# KiCad board zx-multisound.kicad_pcb (continued)
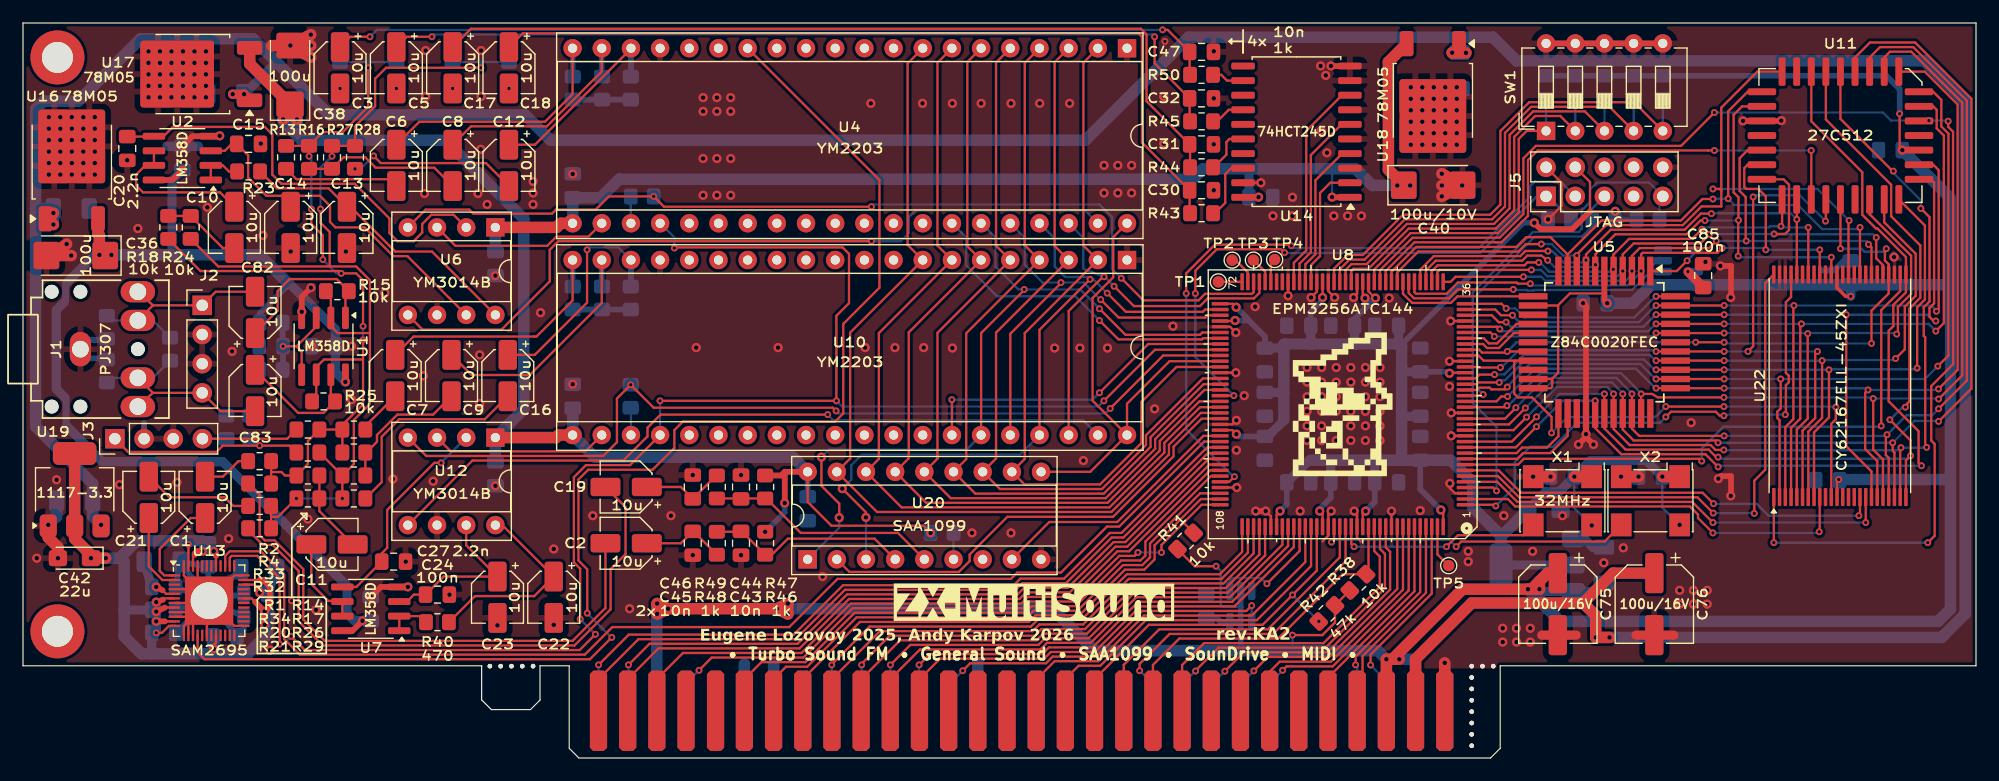
[diagram p0: board, top side]
## Routing (per net, layer and track width the routed paths; a pad name or vN(x,y) marks a point on that pad's centre or on a via; arc(x,y) is an arc through that point) (continued)
/A13: length 62.1
  Top w0.2: 52.49,4.11 52.49,6.73 55.32,9.55 67.6,9.55 71.9,13.85 86.74,13.85 87.32,14.43 91.12,14.43 95.1,18.4 96.12,18.4 103.27,25.55 U8.101
/A14: length 66
  Top w0.2: v2(50.1,8.11) 52.74,10.75 67.08,10.75 71.38,15.05 86.24,15.05 86.82,15.62 90.62,15.62 94.6,19.6 95.62,19.6 102.87,26.85 102.9,26.85 103.1,27.05 U8.98
  Bottom w0.2: v2(50.1,8.11) 50.1,4.25 49.96,4.11
/A15: length 65.1
  Top w0.2: U8.99 103.19,26.55 103.08,26.45 103.03,26.45 95.79,19.2 94.77,19.2 90.79,15.22 86.98,15.22 86.41,14.65 71.55,14.65 67.25,10.35 53.57,10.35 49.96,6.73 49.96,4.11
/AA0: length 62.7
  Top w0.2: U8.74 102.9,39.05 102.7,38.85 96,38.85 v2(94.37,40.48) ; U10.37 88.48,37.28 v2(92.88,41.68) ; v1(71.31,23.46) 73.38,21.4 v1(73.38,20.95)
  Bottom w0.2: U4.37 89.8,45.24 89.8,42.8 90.72,41.88 92.68,41.88 v2(92.88,41.68) 93.17,41.68 v2(94.37,40.48) ; v1(73.38,20.95) 73.38,20.94 U20.3 ; v1(71.31,23.46) 72.1,24.24 72.1,25.5 73,26.4 86.76,26.4 U10.37
/AD0: length 42.1
  Top w0.2: U4.40 94.9,45.36 94.9,41.85 93.1,40.05 93.1,31.12 U10.40 ; U8.83 99.8,34.55 96.1,30.85 U10.40 ; U10.40 92.9,24.92 U20.10
/AD1: length 65.9
  Top w0.2: U4.2 92.3,60.54 92.3,44.62 U10.2 87.2,37 87.2,26.04 U20.11 87.18,23.82 93.75,23.82 97.35,27.42 97.35,31 100.4,34.05 U8.84
/AD2: length 66.8
  Top w0.2: U4.3 89.8,60.58 89.8,44.58 U10.3 84.7,37.04 84.7,26.08 U20.12 85.04,23.42 93.91,23.42 97.75,27.26 97.75,28.1 102.7,33.05 U8.86
/AD3: length 69.5
  Top w0.2: U4.4 87.2,60.52 87.2,44.64 U10.4 82.1,36.98 82.1,26.02 U20.13 82.9,23.02 94.08,23.02 98.15,27.09 98.15,27.93 102.77,32.55 U8.87
/AD4: length 72.1
  Top w0.2: U4.5 84.7,60.56 84.7,44.6 U10.5 79.6,37.02 79.6,26.06 U20.14 80.76,22.62 94.24,22.62 98.55,26.93 98.55,26.95 98.55,26.96 98.55,27.77 102.83,32.05 U8.88
/AD5: length 74.5
  Top w0.2: U8.90 102.4,31.05 98.95,27.6 98.95,26.79 98.95,26.79 98.95,26.76 94.41,22.22 78.62,22.22 U20.15 77.1,26.1 77.1,37.06 U10.6 82.2,44.56 82.2,60.6 U4.6
/AD6: length 77.2
  Top w0.2: U4.7 79.6,60.54 79.6,44.62 U10.7 74.5,37 74.5,26.04 U20.16 76.48,21.82 94.57,21.82 99.35,26.6 99.35,26.6 99.35,27.44 102.46,30.55 U8.91
/AD7: length 80
  Top w0.2: U4.8 77,60.48 77,44.68 U10.8 72,37.04 72,26.08 U20.17 74.34,21.42 94.74,21.42 99.75,26.43 99.75,26.43 99.75,27.27 102.53,30.05 U8.92
/AY_A1: length 23.6
  Top w0.2: U4.20 47.84,57.81 45.43,55.4 34.5,55.4 C6.1
  Bottom w0.2: 47.84,59.34 R10.2
  Bottom w0.5: U4.20 47.84,59.34
/AY_A2: length 23.2
  Top w0.2: C7.1 34,36.7 44.5,36.7 44.7,36.7 47.84,39.84 U10.20
  Bottom w0.2: 47.84,41.06 R37.2
  Bottom w0.5: U10.20 47.84,41.06
/AY_B1: length 20.1
  Top w0.2: C8.1 39,55 45.6,55 50.38,59.78 U4.19
  Bottom w0.2: 50.38,59.35 R9.2
  Bottom w0.5: U4.19 50.38,59.35
/AY_B2: length 22.5
  Top w0.2: U10.19 50.38,39.61 44.12,33.35 39.05,33.35 C9.1
  Bottom w0.2: 50.38,41.07 R36.2
  Bottom w0.5: U10.19 50.38,41.07
/AY_C1: length 16.6
  Top w0.2: C12.1 44.57,53.4 52.92,61.75 U4.18
  Bottom w0.2: 52.92,59.35 R8.2
  Bottom w0.5: U4.18 52.92,59.35
/AY_C2: length 20.1
  Top w0.2: C16.1 44.55,35.1 49.1,39.65 v2(49.1,44.25)
  Bottom w0.2: 52.92,41.07 R35.2 ; U10.18 51.82,44.46 49.31,44.46 v2(49.1,44.25)
  Bottom w0.5: U10.18 52.92,41.07
/CFG0: length 27.6
  Top w0.2: SW1.1 130.89,54.6 130.2,53.91 130.2,47.53 128.37,45.7 120.78,45.7 117.62,42.54 U8.49
  Bottom w0.2: 132.58,57.39 SW1.1
/CFG1: length 33.1
  Top w0.2: U8.53 115.62,42.42 115.8,42.6 117.12,42.6 120.62,46.1 128.21,46.1 129.8,47.7 129.8,54.08 131.62,55.9 133.81,55.9 SW1.2
  Bottom w0.2: 135.12,57.39 SW1.2
/CFG2: length 36.5
  Top w0.2: U8.54 115.12,42.49 115.63,43 116.95,43 120.45,46.5 128.04,46.5 129.4,47.86 129.4,54.25 131.45,56.3 135.95,56.3 SW1.3
  Bottom w0.2: 137.66,57.39 SW1.3
/CFG3: length 39.9
  Top w0.2: U8.55 114.62,42.55 115.47,43.4 116.79,43.4 120.29,46.9 127.87,46.9 129,48.03 129,54.42 131.28,56.7 138.09,56.7 SW1.4
  Bottom w0.2: 140.19,57.39 SW1.4
/CFG4: length 43.3
  Top w0.2: SW1.5 140.23,57.1 131.11,57.1 128.6,54.59 128.6,48.19 127.71,47.3 120.12,47.3 116.62,43.8 115.3,43.8 114.12,42.62 U8.56
  Bottom w0.2: 142.74,57.39 SW1.5
/CLK32: length 18.2
  Top w0.2: v2(123.9,18.4) 124.9,19.4 130.56,19.4 X1.3 ; U8.128 115.62,18.64 v2(115.86,18.4)
  Bottom w0.2: v2(115.86,18.4) v2(123.9,18.4)
/CLKx: length 27.8
  Top w0.2: v2(124.75,18.4) 125.2,18.85 137.67,18.85 X2.3 ; U8.125 114.12,19.02 v2(113.9,18.8)
  Bottom w0.2: v2(113.9,18.8) 114.1,19 124.15,19 v2(124.75,18.4)
/D0: length 52.3
  Top w0.2: U8.103 103.4,24.55 97.7,18.85 97.7,17.63 97.27,17.2 95.59,17.2 91.62,13.23 87.81,13.23 87.24,12.65 72.39,12.65 68.09,8.35 64.27,8.35 62.65,6.73 62.65,4.11
/D1: length 49.1
  Top w0.2: 65.19,4.11 65.19,6.73 66.42,7.95 68.26,7.95 72.56,12.25 87.4,12.25 87.98,12.83 91.78,12.83 95.75,16.8 97.43,16.8 98.1,17.47 98.1,18.69 102.46,23.05 U8.106
/D2: length 46.4
  Top w0.2: U8.107 102.53,22.55 98.5,18.52 98.5,17.3 97.6,16.4 95.92,16.4 91.95,12.43 88.14,12.43 87.56,11.85 72.85,11.85 67.73,6.73 67.73,4.11
/D3: length 43.4
  Top w0.2: 75.36,4.11 75.36,6.73 78.07,9.45 88.55,9.45 89.14,10.03 92.94,10.03 96.91,14 105.05,14 109.62,18.57 U8.116
/D4: length 41.9
  Top w0.2: 77.9,4.11 77.9,6.72 79.83,8.65 88.89,8.65 89.47,9.23 93.27,9.23 97.24,13.2 105.45,13.2 110.62,18.37 U8.118
/D5: length 44.4
  Top w0.2: U8.112 107.62,17.72 104.7,14.8 96.58,14.8 92.61,10.83 88.8,10.83 88.22,10.25 76.35,10.25 72.81,6.72 72.81,4.11
/D6: length 45.8
  Top w0.2: U8.110 106.62,17.88 104.34,15.6 96.25,15.6 92.28,11.63 88.47,11.63 87.9,11.05 74.6,11.05 70.28,6.72 70.28,4.11
/D7: length 59.4
  Top w0.2: 55.04,4.11 55.04,6.73 57.45,9.15 67.76,9.15 72.06,13.45 86.9,13.45 87.48,14.03 91.29,14.03 95.26,18 96.28,18 103.33,25.05 U8.102
/DAC0: length 18.7
  Top w0.2: U8.63 110.62,43.12 111.7,44.2 111.7,54.6 114.81,57.71 U14.8
/DAC1: length 15.9
  Top w0.2: U8.62 111.12,43.05 112.1,44.03 112.1,52.5 114.77,55.17 U14.6
/DAC2: length 13.2
  Top w0.2: U14.4 114.83,52.63 112.5,50.3 112.5,43.87 111.62,42.99 U8.61
/DAC3: length 11
  Top w0.2: U14.2 113.79,50.09 112.9,49.2 112.9,43.7 112.12,42.92 U8.60
/DACCH0: length 77.4
  Top w0.2: R50.1 101.55,59.52 C47.1 99.64,63.4 v2(99.2,63.4) ; C3.1 28.5,62.8 v2(30.2,62.8)
  Bottom w0.2: v2(30.2,62.8) 30.8,63.4 97.6,63.4 v2(99.2,63.4)
/DACCH1: length 75.2
  Top w0.2: R45.1 101.55,55.47 C32.1 98.5,60.48 v2(98.5,62.8) ; C5.1 33.4,62.8 v2(35.6,62.8)
  Bottom w0.2: v2(35.6,62.8) 35.8,63 98.3,63 v2(98.5,62.8)
/DACCH2: length 74.4
  Top w0.2: R44.1 101.59,53.4 C31.1 97.8,57.19 97.8,63 97.3,63.5 39,63.5 C17.1
/DACCH3: length 72.8
  Top w0.2: R43.1 101.55,47.47 C30.1 97.4,53.58 97.4,62.8 97.1,63.1 43.5,63.1 C18.1
/FM1: length 13.4
  Top w0.2: U2.6 U2.7 10.65,51.6 9.85,50.8 9.85,49.85 10.45,49.25 17.15,49.25 C10.1
/FM1_ENA: length 82.8
  Top w0.2: v2(73.85,48) 55.8,48 v2(54.9,48.9) 51,48.9 49.85,47.75 46.4,47.75 46.05,47.4 39.2,47.4 38.85,47.75 35.05,47.75 U6.4 ; v2(95.6,41.78) 97.53,39.85 102.33,39.85 102.9,40.42 106.98,40.42 107.12,40.56 U8.70
  Bottom w0.2: v2(95.6,41.78) 94.8,42.58 94.8,47.1 93.7,48.2 74.05,48.2 v2(73.85,48)
/FM2: length 8
  Top w0.2: C11.1 25.1,15.15 26.58,13.68 27.75,13.68 U7.6 U7.7
/FM2_ENA: length 79.3
  Top w0.2: U8.82 99.25,35.05 v2(94.63,30.43) ; v2(70.78,30.22) 70.5,30.5 54.9,30.5 v2(52.9,32.5) 51.7,31.3 51.7,27.5 50.5,26.3 35.1,26.3 U12.4
  Bottom w0.2: v2(94.63,30.43) 94.2,30 71,30 v2(70.78,30.22)
/GA0: length 84.8
  Top w0.2: v2(131.74,28.85) 129.94,27.05 U8.11 ; v2(147.55,25.35) 146.45,26.45 139.12,26.45 136.85,28.72 U5.27 v2(136.85,31.1) ; U11.11 155.66,55.44 160.1,51 160.1,47.3 161.3,46.1 161.42,46.1 163.9,43.62 U22.25 163.9,40.55 162.8,39.45 162.8,37.6 162.4,37.2 162.4,31.06 165,28.46 165,25.7 v2(165.25,25.45)
  Bottom w0.2: v2(165.25,25.45) 147.65,25.45 v2(147.55,25.35) ; v2(136.85,31.1) 133.99,31.1 v2(131.74,28.85)
/GA1: length 87.3
  Top w0.2: v2(137.65,31.7) 137.65,31.7 U5.28 137.65,28.7 139.5,26.85 146.73,26.85 147.39,26.2 v2(147.55,26.2) ; v2(163.85,30.55) 164,30.7 164,30.85 164.2,31.05 164.2,39.13 165.15,40.08 165.15,44.63 162.61,47.17 162.61,49.92 156.93,55.6 U11.10 ; v2(131.75,29.7) 129.59,27.55 U8.12 ; v2(162.5,29.45) 164.3,27.65 v2(164.3,26.32) 163.9,25.92 U22.24
  Bottom w0.2: v2(137.65,31.7) 133.74,31.7 v2(131.75,29.7) ; v2(147.55,26.2) 147.7,26.05 164.03,26.05 v2(164.3,26.32) ; v2(162.5,29.45) 163.6,30.55 v2(163.85,30.55)
/GA2: length 86.5
  Top w0.2: U8.14 129.75,28.55 v2(130.88,29.68) ; v2(148.05,26.82) 147.33,26.82 146.9,27.25 139.85,27.25 138.45,28.65 U5.29 v2(138.45,31.7) ; v2(165.2,47.85) 165.95,47.1 165.95,39.75 165.45,39.25 165.45,36.75 165.58,36.62 165.58,27.17 v2(165.7,27.05) ; U22.23 163.4,26.96 v2(163.46,27.02) ; v2(162.8,51.1) 162.75,51.1 158.2,55.65 U11.9
  Bottom w0.2: v2(165.7,27.05) 165.67,27.02 v2(163.46,27.02) 163.24,26.8 148.07,26.8 v2(148.05,26.82) ; v2(165.2,47.85) 165.2,48.55 162.8,50.95 v2(162.8,51.1) ; v2(138.45,31.7) 138.45,31.75 137.9,32.3 133.5,32.3 v2(130.88,29.68)
/GA3: length 95.5
  Top w0.2: U8.15 129.35,29.05 v2(130.77,30.48) ; v2(162.75,27.45) 162.75,26.75 162.9,26.6 U22.22 ; U11.8 159.47,61 160.77,62.3 164.7,62.3 169.6,57.4 169.6,32.17 v2(166.74,29.31) ; v2(147.55,27.45) 147.35,27.65 140.2,27.65 139.25,28.6 U5.30 v2(139.25,31.7)
  Bottom w0.2: v2(166.74,29.31) 166.7,29.35 164.65,29.35 v2(162.75,27.45) 147.55,27.45 v2(147.55,27.45) ; v2(139.25,31.7) 139.25,31.75 138.3,32.7 133,32.7 v2(130.77,30.48)
/GA4: length 93
  Top w0.2: v2(140.05,31.7) U5.31 140.05,28.68 140.68,28.05 v2(148.08,28.05) ; U11.7 160.74,61 161.64,61.9 164.53,61.9 169.2,57.23 169.2,32.87 v2(166.74,30.41) ; U22.21 162.4,26.13 162.15,26.38 162.15,28.05 v2(162.25,28.15) ; v2(129.95,30.5) 129,29.55 U8.16
  Bottom w0.2: v2(129.95,30.5) 132.55,33.1 138.7,33.1 140.05,31.75 v2(140.05,31.7) ; v2(148.08,28.05) 162.15,28.05 v2(162.25,28.15) 163.95,29.85 166.18,29.85 v2(166.74,30.41)
/GA5: length 90.7
  Top w0.2: U8.18 129.04,30.55 v2(129.17,30.68) ; U22.20 161.9,26 161.05,26.85 v2(161.05,31.3) ; U5.32 v2(140.85,31.7) 141.8,31.7 142.3,31.4 v2(148.05,31.4) ; U11.6 162.01,61 162.51,61.5 164.37,61.5 168.8,57.07 168.8,33.32 v2(166.74,31.26)
  Bottom w0.2: v2(140.85,31.7) 140.65,31.9 140.65,31.95 139.1,33.5 132.09,33.5 129.27,30.68 v2(129.17,30.68) ; v2(166.74,31.26) 166.7,31.3 v2(161.05,31.3) 160.95,31.4 v2(148.05,31.4)
/GA6: length 84.8
  Top w0.2: v2(166.73,32.13) 168.4,33.8 168.4,56.9 165.54,59.76 U11.5 ; U8.19 128.25,31.05 128.68,31.48 v2(129.22,31.48) ; v2(142.15,32.2) 142.15,32.2 U5.34 v2(148.08,32.2) ; v2(160.6,32.05) 160.35,31.8 160.35,26.9 161.4,25.85 U22.19
  Bottom w0.2: v2(129.22,31.48) 131.64,33.9 140.4,33.9 142.1,32.2 v2(142.15,32.2) ; v2(148.08,32.2) 160.45,32.2 v2(160.6,32.05) 166.65,32.05 v2(166.73,32.13)
/GA7: length 79.8
  Top w0.2: v2(129.2,32.3) 128.99,32.1 127.8,32.1 127.65,32.25 126.78,32.25 126.58,32.05 U8.21 ; U11.4 166.27,58.01 166.97,57.31 166.97,54.99 167.6,54.37 167.6,35.05 v2(166.68,34.12) ; v2(153,33) 153,30.45 152.7,30.15 152.7,29.61 152.9,29.41 U22.2 ; v2(148.08,33) U5.35 142.15,33 v2(142.15,33)
  Bottom w0.2: v2(142.15,33) 142.1,33 140.8,34.3 131.15,34.3 129.2,32.35 v2(129.2,32.3) ; v2(148.08,33) 165.56,33 166.68,34.11 v2(166.68,34.12)
/GA8: length 68.2
  Top w0.2: U8.22 126.52,32.55 126.67,32.7 v2(128.5,32.7) ; U11.29 165.55,46.37 165.55,39.92 164.88,39.24 v2(164.88,33.95) ; v2(148.08,33.8) 148.07,33.8 U5.36 v2(142.15,33.8) ; v2(157.2,33.8) 157.2,29.65 155.9,28.35 U22.8
  Bottom w0.2: v2(148.08,33.8) v2(157.2,33.8) 157.25,33.85 164.77,33.85 v2(164.88,33.95) ; v2(128.5,32.7) 128.7,32.9 129.01,32.9 130.81,34.7 141.1,34.7 142,33.8 v2(142.15,33.8)
/GA9: length 66.7
  Top w0.2: U11.28 162.01,46.64 164.75,43.9 164.75,40.25 163.8,39.3 163.8,35.58 v2(163,34.78) ; U22.7 155.4,28.42 156.6,29.62 v2(156.6,34.6) ; v2(148.08,34.6) U5.37 v2(142.15,34.6) ; U8.23 126.45,33.05 126.79,33.39 v2(128.09,33.39)
  Bottom w0.2: v2(148.08,34.6) v2(156.6,34.6) 156.65,34.65 162.87,34.65 v2(163,34.78) ; v2(142.15,34.6) 142.1,34.6 141.6,35.1 130.65,35.1 128.95,33.4 128.1,33.4 v2(128.09,33.39)
/GA10: length 67.4
  Top w0.2: U22.6 154.9,28.5 156,29.6 156,35.2 v2(156.2,35.4) ; v2(150.15,35.4) 150.6,35.85 v2(150.6,48.85) ; U11.24 156.93,46.78 v2(156.9,46.75) ; U8.25 126.65,34.05 126.7,34 v2(128.6,34) ; v2(142.15,35.4) U5.38 v2(148.08,35.4)
  Bottom w0.2: v2(142.15,35.4) 142.05,35.5 130.2,35.5 128.7,34 v2(128.6,34) ; v2(156.9,46.75) 154.65,49 150.75,49 v2(150.6,48.85) ; v2(148.08,35.4) v2(156.2,35.4)
/GA11: length 66.3
  Top w0.2: U8.31 127.73,37.05 v2(128.07,36.71) ; U11.27 160.74,47.34 164.35,43.73 164.35,40.41 163.2,39.26 163.2,37.01 v2(163.1,36.91) ; U22.5 154.4,28.6 155.35,29.55 v2(155.35,36.95) ; v2(148.08,37) 148.07,37 U5.40 v2(142.15,37)
  Bottom w0.2: v2(163.1,36.91) 163.01,37 155.4,37 v2(155.35,36.95) 155.3,37 v2(148.08,37) ; v2(142.15,37) 141.86,36.71 v2(128.07,36.71)
/GA12: length 78.6
  Top w0.2: v2(148.08,37.8) U5.41 v2(142.15,37.8) ; U11.3 166.27,56.74 166.58,56.44 166.58,54.83 167.2,54.2 167.2,51.3 167.2,37.87 v2(166.5,37.17) ; U8.32 128.35,37.55 v2(128.55,37.35) ; U22.4 153.9,28.75 154.7,29.55 154.7,37.7 v2(154.8,37.8)
  Bottom w0.2: v2(142.15,37.8) 142.1,37.8 141.45,37.15 128.75,37.15 v2(128.55,37.35) ; v2(166.5,37.17) 165.87,37.8 v2(148.08,37.8)
/GA13: length 72.8
  Top w0.2: v2(148.08,38.6) U5.42 v2(142.15,38.6) ; v2(129.1,37.95) 128.45,37.95 127.85,38.55 U8.34 ; U22.18 160.9,24.95 158.7,27.15 v2(158.7,38.6) ; v2(166.5,38.05) 166.31,38.05 165.95,38.41 165.95,39.18 166.35,39.59 166.35,50.1 166.06,50.39 U11.30
  Bottom w0.2: v2(166.5,38.05) 166.31,38.05 165.76,38.6 v2(148.08,38.6) ; v2(142.15,38.6) 142.1,38.6 141.05,37.55 129.5,37.55 v2(129.1,37.95)
/GA14: length 73.6
  Top w0.2: v2(129.65,38.55) 128.65,38.55 128.15,39.05 U8.35 ; v2(154.15,39.4) 154.1,39.35 154.1,29.52 153.4,28.82 U22.3 ; v2(148.07,39.4) U5.43 v2(142.15,39.4) ; v2(166.55,38.9) 166.75,39.1 166.75,51.18 166.27,51.66 U11.31
  Bottom w0.2: v2(148.07,39.4) 166.11,39.4 166.55,38.96 v2(166.55,38.9) ; v2(142.15,39.4) 142.1,39.4 140.65,37.95 130.25,37.95 v2(129.65,38.55)
/GA15: length 19.6
  Top w0.2: v2(129.1,39.15) 128.7,39.55 U8.36 ; U5.44 v2(142.15,40.2)
  Bottom w0.2: v2(142.15,40.2) 142.1,40.2 140.25,38.35 130.7,38.35 129.9,39.15 v2(129.1,39.15)
/GCLK: length 24.9
  Top w0.2: U8.43 120.62,40.49 121.08,40.03 124.13,40.03 124.9,40.8 v2(129.72,40.8)
  Bottom w0.2: v2(129.72,40.8) 129.77,40.75 130.9,40.75 130.95,40.7 131.45,40.7 131.5,40.75 140.05,40.75 141.65,42.35 141.65,42.69 142.26,43.3 U23.2
/GCLK_BUF: length 4.8
  Top w0.2: v2(144.85,43.3) 143.95,42.4 U5.1
  Bottom w0.2: U23.4 145.45,43.9 v2(144.85,43.3)
/GD0: length 66
  Top w0.2: U22.35 158.9,46.75 v2(158.95,46.8) ; 147.83,49.4 147.83,56.63 150.96,59.76 U11.13 ; 147.83,49.4 147.68,49.55 v2(147.1,49.55) ; 147.83,49.4 147.83,48.03 146.11,48.03 144.48,46.4 137.8,46.4 135.25,43.85 v2(135.25,43.75) ; U8.45 119.62,42.28 121.44,44.1 130.16,44.1 130.81,44.75 v2(132.16,44.75)
  Bottom w0.2: v2(158.95,46.8) 156.2,49.55 v2(147.1,49.55) ; v2(132.16,44.75) 133.07,44.75 134.07,43.75 v2(135.25,43.75)
/GD1: length 63.5
  Top w0.2: U22.33 v2(159.9,46.2) ; v2(148.43,48.7) 148.43,56.31 150.13,58.01 U11.14 ; 134.45,43.85 U5.10 ; 134.45,43.85 132.95,45.35 130.85,45.35 130,44.5 121.28,44.5 119.12,42.34 U8.46 ; 134.45,43.85 137.4,46.8 144.31,46.8 146.19,48.67 v2(147.1,48.67)
  Bottom w0.2: v2(147.1,48.67) 147.13,48.7 v2(148.43,48.7) 148.98,48.15 154.51,48.15 156.61,46.05 159.75,46.05 v2(159.9,46.2)
/GD2: length 56.2
  Top w0.2: v2(146.4,46.8) 146.01,46.8 144.81,45.6 138.6,45.6 136.88,43.88 v2(136.88,42.95) ; v2(132.72,43.34) 132.15,43.75 130.94,43.75 130.49,43.3 122.97,43.3 122.12,42.45 U8.40 ; U11.15 149.64,56.74 148.9,56 148.9,49.25 149.32,48.83 v2(149.32,46.82) 149.3,46.8 v2(149.3,43.7) ; U22.38 v2(157.4,43.6)
  Bottom w0.2: v2(149.3,43.7) 149.4,43.6 v2(157.4,43.6) ; v2(132.72,43.34) 133.3,42.75 136.68,42.75 v2(136.88,42.95) ; v2(146.4,46.8) 149.3,46.8 v2(149.32,46.82)
/GD3: length 52.3
  Top w0.2: U22.31 160.9,44.46 v2(160.64,44.72) ; U8.37 124.26,41.46 124.7,41.9 v2(130.6,41.9) ; v2(147.39,45.01) 146.77,44.4 140.73,44.4 140.05,43.72 v2(140.05,42.4) ; v2(150,45.02) 149.95,45.07 149.95,48.85 149.43,49.38 149.43,52.23 150.13,52.93 U11.18
  Bottom w0.2: v2(130.6,41.9) 132.15,41.9 132.5,41.55 139.5,41.55 140.05,42.1 v2(140.05,42.4) ; v2(160.64,44.72) 160.64,44.87 160.49,45.02 v2(150,45.02) 147.39,45.02 v2(147.39,45.01)
/GD4: length 51.4
  Top w0.2: v2(140.85,42.4) 140.85,43.85 140.99,43.99 147.49,43.99 v2(147.9,44.4) ; U8.42 121.12,40.55 121.25,40.43 123.93,40.43 124.9,41.4 130.02,41.4 130.12,41.3 v2(131.2,41.3) ; v2(156.4,44.25) U22.40 ; U11.19 150.13,51.66 149.83,51.36 149.83,49.72 150,49.55 151.05,49.55 151.7,48.9 v2(151.7,44.25)
  Bottom w0.2: v2(147.9,44.4) 147.92,44.42 151.53,44.42 v2(151.7,44.25) v2(156.4,44.25) ; v2(131.2,41.3) 131.35,41.15 139.67,41.15 140.85,42.33 v2(140.85,42.4)
/GD5: length 53.3
  Top w0.2: v2(161.31,45.31) 161.31,43.51 161.9,42.92 U22.29 ; v2(139.25,42.4) 139.25,43.85 140.2,44.8 146,44.8 v2(146.8,45.6) ; v2(131.3,42.5) 123.3,42.5 123.12,42.32 U8.38 ; U11.20 153.25,50.39 153.72,49.92 153.72,45.97 153.38,45.63 v2(152.42,45.63)
  Bottom w0.2: v2(139.25,42.4) 138.8,41.95 132.66,41.95 132.12,42.5 v2(131.3,42.5) ; v2(161.31,45.31) 161.03,45.6 152.45,45.6 v2(152.42,45.63) 152.41,45.62 146.82,45.62 v2(146.8,45.6)
/GD6: length 43.3
  Top w0.2: U11.21 153.12,46.4 v2(153.02,46.3) ; v2(131.94,43.15) 130.95,43.15 130.7,42.9 123.13,42.9 122.62,42.39 U8.39 ; v2(138.42,42.55) 138.42,43.82 139.8,45.2 145.29,45.2 v2(146.14,46.04) ; U22.42 v2(155.4,46.2)
  Bottom w0.2: v2(131.94,43.15) 132.03,43.15 132.83,42.35 138.22,42.35 v2(138.42,42.55) ; v2(155.4,46.2) 153.12,46.2 v2(153.02,46.3) 152.09,46.3 151.99,46.2 146.29,46.2 v2(146.14,46.04)
/GD7: length 43.7
  Top w0.2: v2(146.97,47.4) 146.04,47.4 144.64,46 138.2,46 136.05,43.85 v2(136.05,43.35) ; U8.41 121.62,42.52 122.8,43.7 130.33,43.7 130.78,44.15 132.44,44.15 132.46,44.14 v2(132.74,44.14) ; U22.44 v2(154.4,46.9) 154.4,48.63 U11.22
  Bottom w0.2: v2(136.05,43.35) 135.85,43.15 134.1,43.15 133.11,44.14 v2(132.74,44.14) ; v2(154.4,46.9) 153.88,47.42 146.99,47.42 v2(146.97,47.4)
/GMA15: length 115.8
  Top w0.2: U22.1 v2(152.4,18.75) ; 166.13,55.47 U11.2 ; v2(167.58,55.45) 167.58,54.96 168,54.53 168,34.28 166.1,32.38 166.1,27.64 166.4,27.34 166.4,19.35 v2(165.8,18.75) ; v2(147.23,56.2) 144.33,53.3 131.68,53.3 130.6,52.22 130.6,47.37 128.54,45.3 120.95,45.3 118.12,42.47 U8.48
  Bottom w0.2: v2(165.8,18.75) v2(152.4,18.75) ; v2(167.58,55.45) 167.53,55.5 v2(165.9,55.5) 162.6,55.5 161.9,56.2 v2(147.23,56.2)
/GMA16: length 48
  Top w0.2: v2(150.7,21.3) 150.7,24.15 151.65,25.1 151.65,41.35 U22.48 ; v2(147.12,21.32) 145.75,22.7 130.23,22.7 128.38,24.55 U8.6
  Bottom w0.2: v2(150.7,21.3) 150.68,21.32 v2(147.12,21.32) 147.13,21.32
/GMA17: length 38.6
  Top w0.2: U22.17 v2(160.4,20.5) ; U8.5 128.32,24.05 130.07,22.3 145.3,22.3 v2(147.1,20.5)
  Bottom w0.2: v2(147.1,20.5) v2(160.4,20.5)
/GMA18: length 37.6
  Top w0.2: U22.16 159.9,21.2 v2(159.8,21.1) ; U8.7 128.45,25.05 130.4,23.1 146.2,23.1 v2(147.15,22.15)
  Bottom w0.2: v2(159.8,21.1) 151.95,21.1 150.92,22.13 147.17,22.13 v2(147.15,22.15)
/GMA19: length 35.3
  Top w0.2: U22.9 156.4,19.75 v2(156.35,19.7) ; v2(147.1,19.6) 145.8,20.9 145.8,21.2 145.1,21.9 129.9,21.9 129.25,22.55 U8.2
  Bottom w0.2: v2(147.1,19.6) 156.25,19.6 v2(156.35,19.7)
/GMA20: length 45.4
  Top w0.2: v2(128.2,21.95) 128.1,22.05 U8.1 ; v2(148.05,29.8) 147.7,29.8 147.35,30.15 143.45,30.15 v2(143,29.7) ; v2(153.4,29.9) 153.45,29.95 153.45,32.46 153.7,32.71 153.7,33.29 153.45,33.54 153.45,39.69 153.9,40.14 U22.45
  Bottom w0.2: v2(143,29.7) 142.5,29.2 135.3,29.2 133.2,27.1 131.2,27.1 129.85,25.75 129.85,23.6 v2(128.2,21.95) ; v2(148.05,29.8) 148.15,29.9 v2(153.4,29.9)
/IN_L: length 10.6
  Top w0.2: J3.4 23,27.8 R1.2
  Bottom w0.2: R7.1 J3.4
/IN_R: length 17.8
  Top w0.2: J3.1 9.15,26.65 16.85,26.65 17.4,27.2 v2(20.6,27.2) 23.2,27.2 R34.2
  Bottom w0.2: v2(20.6,27.2) 20,27.8 R19.1
/MIDI_CLK: length 102.4
  Top w0.2: U8.97 102.82,27.55 95.42,20.15 94.35,20.15 90.35,16.15 86.55,16.15 86,15.6 70.9,15.6 66.7,11.4 51.3,11.4 48.9,9 24.1,9 23.1,10 23.09,10 22.74,10.35 22.74,15.96 20.7,18 18,18 17.6,17.6 17.6,16.65
/MIDI_IN: length 117.8
  Top w0.2: v2(51.25,10.5) 49.35,8.6 15.8,8.6 15.2,9.2 15.2,10.75 ; U4.14 74.55,50.33 74.55,40.95 71.4,37.8 71.4,30 70.7,29.3 57.45,29.3 56.7,28.55 56.7,27 54.8,25.1 49.2,25.1 48.35,24.25 48.35,17.2 49.11,16.44 v2(49.11,12.61)
  Bottom w0.2: v2(49.11,12.61) 51.22,10.5 v2(51.25,10.5)
/MIDI_L: length 8.5
  Top w0.2: C1.1 14.6,20.9 11.9,18.2 11.9,16.3 12.3,15.9 13.25,15.9
/MIDI_R: length 7
  Top w0.2: 13.25,15.5 12.13,15.5 10.95,16.68 C21.1
/SAA_CLK: length 22.6
  Top w0.2: U8.96 102.75,28.05 95.25,20.55 89.33,20.55 U20.8
/SAA_L: length 7.4
  Top w0.2: R48.2 58.36,19.74 C45.1 57.26,18.7 C2.1
/SAA_R: length 7.4
  Top w0.2: C19.1 57.26,23.6 C46.1 60.34,24.6 R49.2
/SND_L: length 19.5
  Top w0.2: 11.3,31.79 J1.TN ; 11.3,31.79 J1.T ; 11.3,31.79 J2.4 ; 15.6,31.8 17.2,30.2 C83.2
  Bottom w0.2: R60.2 11.3,33.1 7.7,33.1 R62.2
/SND_R: length 19.3
  Top w0.2: J2.1 11.32,39.41 ; 11.32,39.41 J1.RN ; 11.32,39.41 J1.R ; 15.6,39.42 16.78,40.6 C82.2
  Bottom w0.2: R60.1 11.3,38.1 7.7,38.1 R61.2
/TCK: length 49.9
  Top w0.2: v2(102.05,40.45) 102.05,42.43 103.92,44.3 109.51,44.3 v2(109.81,44) ; U8.89 v2(105.4,31.55)
  Bottom w0.2: R59.1 132.75,48.9 J5.1 131.77,48.9 126.84,43.97 109.84,43.97 v2(109.81,44) ; v2(102.05,40.45) 102.05,34.9 v2(105.4,31.55)
/TDI: length 45.7
  Top w0.2: U8.4 127.97,23.55 v2(128.26,23.26)
  Bottom w0.2: R52.1 142.45,48.61 J5.9 141.53,50.1 137,50.1 136.4,49.5 136.4,48.4 135.68,47.67 135.68,46.07 135.4,45.8 131.43,45.8 126.2,40.57 126.2,30.9 128.26,28.84 v2(128.26,23.26)
/TDO: length 59.4
  Top w0.2: v2(110.4,44.6) 110.3,44.7 103.75,44.7 101.25,42.2 v2(101.25,40.45) ; U8.104 105,24.05 v2(105.45,24.5)
  Bottom w0.2: v2(105.45,24.5) 105.35,24.5 101.25,28.6 v2(101.25,40.45) ; v2(110.4,44.6) 110.6,44.4 126.7,44.4 131.2,48.9 131.2,49.8 131.6,50.2 133.81,50.2 J5.3
/TMS: length 26
  Top w0.2: U8.20 127,31.55 v2(127.1,31.65)
  Bottom w0.2: v2(127.1,31.65) 126.6,32.15 126.6,40.4 131.6,45.4 135.7,45.4 136.6,46.3 R53.1 136.6,47.84 J5.5
/YM_M: length 37.6
  Top w0.2: U10.38 91.02,38.92 94,41.9 v2(94.1,41.9) ; U8.69 107.62,40.49 107.15,40.02 103.12,40.02 102.45,39.35 96.7,39.35 v2(94.97,41.08)
  Bottom w0.2: U4.38 92.3,45.28 92.3,42.6 v2(94.1,41.9) 94.15,41.9 v2(94.97,41.08)
/~{ARD}: length 38.2
  Top w0.2: U8.75 103.1,38.55 102.9,38.35 95.37,38.35 v2(93.81,39.91) ; U10.36 85.94,36.94 90.35,41.35 v2(90.35,41.4)
  Bottom w0.2: U4.36 87.2,45.3 87.2,42.95 88.75,41.4 v2(90.35,41.4) 92.32,41.4 v2(93.81,39.91)
/~{AWR}: length 66
  Top w0.2: v2(87.15,40.8) 87.15,40.75 83.4,37 U10.35 ; v1(69.5,26.2) 69.5,23.7 71.05,22.15 v1(71.05,20.92) ; v2(93.7,39.12) 95.97,36.85 102.45,36.85 102.65,37.05 U8.78
  Bottom w0.2: U4.35 84.65,45.31 84.65,42.8 86.65,40.8 v2(87.15,40.8) 92.02,40.8 v2(93.7,39.12) ; v1(71.05,20.92) 71.05,20.05 U20.1 ; U10.35 82.13,26.85 70.15,26.85 v1(69.5,26.2)
/~{DOS}: length 57
  Top w0.2: 101.05,20.5 102.59,22.05 U8.108 ; 101.05,20.5 101.05,20.47 R41.2 ; 101.05,20.5 99.1,18.56 v2(99.1,17.9) ; v2(97.05,17.9) 96.75,17.6 95.43,17.6 91.45,13.63 87.65,13.63 87.07,13.05 72.23,13.05 67.93,8.75 59.95,8.75 v2(58.84,7.64)
  Bottom w0.2: v2(58.84,7.64) 57.57,6.37 57.57,4.11 ; v2(99.1,17.9) v2(97.05,17.9)
/~{GINT}: length 12.9
  Top w0.2: U8.44 120.12,40.42 120.92,39.63 124.29,39.63 124.87,40.2 U5.12
/~{GIORQ}: length 6.6
  Top w0.2: U8.29 127.08,36.05 127.43,35.7 128.47,35.7 129.77,37 U5.16
/~{GM1}: length 11.7
  Top w0.2: U8.9 130.07,26.05 130.57,26.55 132.95,26.55 134.45,28.05 U5.24
/~{GMREQ}: length 6.8
  Top w0.2: U5.15 130.01,37.8 128.31,36.1 127.6,36.1 127.15,36.55 U8.30
/~{GRAM}: length 52.3
  Top w0.2: v2(146.13,25.85) 145.93,26.05 130.64,26.05 130.14,25.55 U8.8 ; U22.26 163.4,40.65 161.75,39 v2(161.75,28.91)
  Bottom w0.2: v2(161.75,28.91) 161.69,28.85 148.03,28.85 146.13,26.95 v2(146.13,25.85)
/~{GRD}: length 55.7
  Top w0.2: U11.25 v2(158.2,44.35) ; v2(160.9,36.1) 160.9,38.95 162.4,40.45 U22.28 162.4,42.99 162.07,43.32 162.07,44.23 v2(162.19,44.34) ; U5.18 v2(129.2,35.4) 129.1,35.3 127,35.3 126.75,35.55 U8.28 ; v2(148.08,36.2) v2(145.6,36.2)
  Bottom w0.2: v2(162.19,44.34) 161.93,44.09 160.28,44.09 160.02,44.35 v2(158.2,44.35) ; v2(145.6,36.2) 130,36.2 v2(129.2,35.4) ; v2(148.08,36.2) 148.18,36.1 v2(160.9,36.1)
/~{GROM}: length 49.5
  Top w0.2: U8.47 118.62,42.41 121.12,44.9 128.3,44.9 ; v2(155.65,52.9) 155.66,52.89 U11.23 ; 128.2,44.9 128.7,44.9 131,47.2 131,52.05 131.85,52.9 146.68,52.9 v2(147.23,52.9)
  Bottom w0.2: v2(155.65,52.9) v2(147.23,52.9)
/~{GRST}: length 10.7
  Top w0.2: U8.10 130.01,26.55 130.49,27.03 132.67,27.03 133.65,28.02 U5.23
/~{GWR}: length 48.2
  Top w0.2: v2(133.05,28.31) 133.05,29.7 131.35,31.4 130.13,31.4 129.8,31.73 129.8,34.5 129.9,34.6 ; 129.9,34.6 127.13,34.6 126.68,35.05 U8.27 ; 129.9,34.6 U5.19 ; U22.11 157.4,29.1 157.8,29.5 v2(157.8,30.55) ; v2(148.05,30.6) v2(143,30.6)
  Bottom w0.2: v2(143,30.6) 142.1,29.7 134.44,29.7 v2(133.05,28.31) ; v2(157.8,30.55) 157.75,30.6 v2(148.05,30.6)
/~{IODOS}: length 30
  Top w0.2: J4.b20 98.36,8.1 100.65,10.4 109.25,10.4 114.86,16.01 R38.2 117.12,16.22 U8.131
/~{IORQGE}: length 10.6
  Top w0.2: v2(108.27,15.18) 111.12,18.02 U8.119
  Bottom w0.2: v2(108.27,15.18) 107.78,15.67 105.28,15.67 105.05,15.45 U21.1
/~{IORQ}: length 31.7
  Top w0.2: U8.121 112.12,16.72 107.4,12 97.74,12 93.77,8.03 91.88,8.03 90.59,6.75 90.59,4.11
/~{M1}: length 23.5
  Top w0.2: U8.137 120.12,14.66 113.85,8.39 109.39,8.39 108.52,7.51 108.52,4.25 108.38,4.11
/~{MREQ}: length 33.5
  Top w0.2: J4.b16 88.19,6.83 89.8,8.43 93.6,8.43 97.57,12.4 106.95,12.4 111.62,17.07 U8.120
/~{RD}: length 33.2
  Top w0.2: 93.14,4.11 93.14,6.73 98,11.6 107.9,11.6 v2(110.5,14.2) 112.62,16.32 U8.122 ; R42.2 v2(112.8,11.9)
  Bottom w0.2: v2(112.8,11.9) v2(110.5,14.2)
/~{RSTOUT}: length 149.5
  Top w0.2: v2(56.7,44.4) 56.76,44.46 71.34,44.46 71.9,43.9 71.9,39.6 70.8,38.5 v2(70.8,31.1) v2(55.45,31.1) ; U8.81 98.54,35.55 v2(94.09,31.1) ; v2(49.82,10.78) 48.45,9.4 24.53,9.4 v2(23.34,10.6) ; v2(22.32,9.92) 22.34,9.94 22.34,15.66 20.4,17.6 18.17,17.6 18,17.43 18,16.65 ; v2(48.5,12.1) 48.5,16.48 47.95,17.03 47.95,24.45 49,25.5 52.84,25.5 U10.24
  Bottom w0.2: v2(56.7,44.4) 56.7,45.32 U4.24 ; v2(70.8,31.1) 71.3,30.6 93.59,30.6 v2(94.09,31.1) ; v2(23.34,10.6) 22.65,9.92 v2(22.32,9.92) ; v2(55.45,31.1) 55.46,31.09 U10.24 ; v2(49.82,10.78) v2(48.5,12.1)
/~{RST}: length 31.5
  Top w0.2: v2(97.2,7.6) 97.2,8.2 99.8,10.8 108.8,10.8 115.12,17.12 U8.127
  Bottom w0.2: v2(97.2,7.6) 98.36,6.44 J4.a20 ; 98.22,6.41 98.22,4.11
/~{SAA_CS}: length 40.2
  Top w0.2: U8.93 102.59,29.55 100.15,27.11 100.15,26.27 94.88,21 85.69,21 82.4,17.71 82.4,17.15 81.46,16.2 71.94,16.2 U20.2
/~{WAIT}: length 29.5
  Top w0.2: 100.75,4.11 100.9,4.25 100.9,8.1 102.8,10 113.2,10 118.1,14.9 118.1,17.54 117.62,18.02 U8.132
/~{WR}: length 29.4
  Top w0.2: 95.68,4.11 95.81,4.25 95.81,8.11 98.9,11.2 108.35,11.2 114.62,17.47 U8.126
/~{YM1_CS}: length 29
  Top w0.2: v2(93.7,38.1) 95.35,36.45 102.62,36.45 102.72,36.55 U8.79
  Bottom w0.2: v2(93.7,38.1) 91.6,40.2 84.8,40.2 82.1,42.9 82.1,45.32 U4.34
/~{YM2_CS}: length 28.5
  Top w0.2: v2(80.85,31.2) 80.86,31.19 U10.34 ; U8.80 97.95,36.05 v2(93.7,31.8)
  Bottom w0.2: v2(93.7,31.8) 93.1,31.2 v2(80.85,31.2)
Net-(C1-Pad2): length 4.3
  Top w0.2: R2.2 18.75,25.85 17.4,24.5 C1.2
Net-(C2-Pad2): length 48.2
  Top w0.2: C2.2 50.7,13.07 47.83,10.2 26.27,10.2 24.4,12.07 24.4,16.45 21.9,18.95 21.05,18.95 20.6,19.4 20.6,22.9 R4.2
Net-(C3-Pad2): length 0.3
  Bottom w0.2: R6.2 v2(27.6,58.3)
Net-(C5-Pad2): length 0.3
  Bottom w0.2: R12.2 v2(32.5,58.3)
Net-(C6-Pad2): length 10.2
  Top w0.2: C6.2 31.9,50.4 23.8,50.4 R13.2
Net-(C7-Pad2): length 4
  Top w0.2: R14.2 29.8,28.9 C7.2
Net-(C8-Pad2): length 13.9
  Top w0.2: R16.2 R27.2 27.9,52.3 29.8,52.3 30.7,51.4 35.8,51.4 C8.2
Net-(C9-Pad2): length 11.9
  Top w0.2: R26.2 R17.2 29.88,26.6 30.81,27.54 30.81,28.13 32.58,29.9 35.7,29.9 C9.2
Net-(C10-Pad2): length 6.9
  Top w0.2: R18.2 R24.2 17.4,44.4 C10.2
Net-(C11-Pad2): length 7.2
  Top w0.2: C11.2 25.8,21.5 R21.2 R20.2
Net-(C12-Pad2): length 15
  Top w0.2: v2(30.52,52.42) 31.15,51.8 40.3,51.8 C12.2
  Bottom w0.2: v2(30.52,52.42) 29.4,51.3 v2(28.9,51.3)
Net-(C16-Pad2): length 18.4
  Top w0.2: C16.2 40.2,29.5 32.75,29.5 31.22,27.97 31.22,24.02 R29.2
Net-(C17-Pad2): length 0.3
  Bottom w0.2: R30.2 v2(37.4,58.3)
Net-(C18-Pad2): length 0.3
  Bottom w0.2: R31.2 v2(42.3,58.3)
Net-(C19-Pad2): length 51.7
  Top w0.2: R32.2 19.6,19.83 20.88,18.55 21.73,18.55 24,16.28 24,11.9 26.1,9.8 48,9.8 51.15,12.95 51.15,16.45 52.45,17.75 52.45,21.85 C19.2
Net-(C21-Pad2): length 9.7
  Top w0.2: R33.2 18.3,21.95 17.55,22.7 12.75,22.7 C21.2
Net-(C82-Pad1): length 14
  Top w0.2: U1.1 28.07,40.35 R15.2 27.31,41.7 23.21,41.7 22.16,40.65 22.16,38.96 C82.1
Net-(C83-Pad1): length 11.4
  Top w0.2: U1.7 26.8,31.41 R25.2 26.16,30.05 23.95,30.05 C83.1
Net-(J4-Pin_a13): length 33
  Top w0.2: v2(81.8,7.6) 82.45,8.25 89.05,8.25 89.63,8.83 93.44,8.83 97.41,12.8 106.48,12.8 v2(106.95,13.27)
  Bottom w0.2: v2(81.8,7.6) 80.44,6.23 80.44,4.11 ; v2(106.95,13.27) U21.4
Net-(TP1-Pad1): length 2.1
  Top w0.2: TP1.1 104.05,41.46 U8.72
Net-(TP2-Pad1): length 2.6
  Top w0.2: TP2.1 105.55,43.35 106.62,42.28 U8.71
Net-(TP3-Pad1): length 2.3
  Top w0.2: TP3.1 107.12,43.35 108.12,42.35 U8.68
Net-(TP4-Pad1): length 2.1
  Top w0.2: TP4.1 108.62,43.07 U8.67
Net-(TP5-Pad1): length 3.8
  Top w0.2: TP5.1 123.12,17.73 U8.143
Net-(U1A-+): length 11.2
  Top w0.2: 23.8,35.84 23.79,35.85 v2(22.64,35.85) ; 23.8,35.84 24.26,35.39 U1.5 ; 23.8,35.84 25.53,37.56 U1.3
  Bottom w0.2: 22.64,33.84 R11.1 ; 22.6,35.89 v2(22.64,35.85)
  Bottom w0.5: v2(22.64,35.85) 22.64,33.84 ; R5.1 22.6,35.89
Net-(U1A--): length 90.4
  Top w0.2: R15.1 26.8,40.21 U1.2 26.8,37.6 27.4,37 30.2,37 ; v2(26.9,52.4) R27.1 R28.1 28.9,55 30.65,56.75 30.65,59.15 31.6,60.1 v2(39.85,60.1) ; 21.6,21 R32.1 ; 21.6,21 22.2,21 v2(23.8,22.6) ; 21.6,21 R33.1 ; R34.1 R26.1 ; R26.1 v2(27.8,22.6) ; R26.1 28.8,25.6 28.8,29.43 30.2,30.83 30.2,37 ; R24.1 17,42.8 26.7,42.8 ; 26.7,42.8 29,42.8 30.2,41.6 30.2,37 ; 26.7,42.8 26.7,45.8 25.9,46.6 v2(25.9,47.8)
  Bottom w0.2: v2(26.9,52.4) 25.9,51.4 v2(25.9,47.8) ; v2(39.85,60.1) 39.85,60.6 ; 39.85,60.6 R30.1 ; 39.85,60.6 R31.1 ; v2(23.8,22.6) v2(27.8,22.6)
Net-(U1B--): length 82.6
  Top w0.2: 21.6,24.9 22.5,24.9 22.8,24.6 R20.1 24.8,25.6 24.8,27.6 R1.1 R14.1 ; 21.6,24.9 R2.1 ; 21.6,24.9 R4.1 ; v2(29.6,36.4) 29.6,30.8 27.8,29 R14.1 ; R25.1 25.53,31.41 U1.6 25.53,34.03 26.2,34.7 29.6,34.7 ; R16.1 26.1,54.5 27.83,54.5 30.05,56.72 v2(30.05,60.1) ; R16.1 R13.1 ; R16.1 v2(24.9,52.4) ; v2(25.1,47.8) 25.1,46.5 26.1,45.5 v2(26.1,43.4) ; R14.1 R17.1 ; R18.1 15.45,42.4 27.5,42.4 v2(27.7,42.2) 29,42.2 29.6,41.6 v2(29.6,37.6)
  Bottom w0.2: v2(24.9,52.4) 25.1,52.2 v2(25.1,47.8) ; v2(27.7,42.2) 27.3,42.2 v2(26.1,43.4) ; v2(29.6,36.4) v2(29.6,37.6) ; 30.05,60.6 R6.1 ; 30.05,60.6 R12.1 ; 30.05,60.6 v2(30.05,60.1)
Net-(U2A-+): length 30.6
  Top w0.2: U6.7 33.46,43.7 32.23,43.7 29.73,46.2 27.2,46.2 26.73,46.67 26.73,48.07 25.85,48.95 21.18,48.95 19.6,50.53 19.6,52.47 C15.1 18.17,53.47 17.57,52.87 U2.3
Net-(U2A--): length 3.8
  Top w0.2: R23.1 17.93,51.07 17.4,51.6 U2.2 U2.1
Net-(U2B-+): length 38.6
  Top w0.2: C20.1 11.37,54.11 U2.5 12.24,54.14 13.05,54.95 21.05,54.95 21.7,54.3 21.7,50.8 22.5,50 28.88,50 31.9,46.98 31.9,45.7 32.6,45 34,45 34.75,45.75 34.75,46.5 35.55,47.3 37.48,47.3 U6.2
Net-(U4-OP-O): length 2.2
  Bottom w0.2: U4.23 52.9,46.58 52.9,48.8
Net-(U4-S): length 67.8
  Top w0.2: v2(73.85,45) 46.6,45 45.85,44.25 45.85,41.5 41.65,37.3 34.78,37.3 U6.5
  Bottom w0.2: v2(73.85,45) 76.4,45 77.1,45.7 77.1,47.1 77.7,47.7 92.42,47.7 U4.39
Net-(U4-SH): length 15.8
  Top w0.2: U6.3 37.64,44.6 45.63,44.6 46.43,45.4 49.22,45.4 U4.22
Net-(U6-Mp): length 25.7
  Top w0.2: R23.2 22.11,49.6 26.6,49.6 C13.1 28.5,48 32.4,44.1 35.6,44.1 U6.8
Net-(U7A--): length 3.1
  Top w0.2: U7.2 34.55,12.35 ; 32.75,12.16 32.75,10.88
Net-(U10-OP-O): length 2.4
  Bottom w0.2: U10.23 52.92,30.48 R39.1
Net-(U10-S): length 65.2
  Top w0.2: U12.5 39.12,25.9 52.26,25.9 54.36,28.01 54.36,28.76 55.5,29.9 v2(70.05,29.9)
  Bottom w0.2: U10.39 92.28,29.4 70.55,29.4 v2(70.05,29.9)
Net-(U10-SH): length 15.4
  Top w0.2: U12.3 37.24,26.7 48.96,26.7 U10.22
Net-(U12-Mp): length 17.7
  Top w0.2: U12.8 41.72,20.28 C22.1 44.5,14.1 39.35,14.1 R40.2
Net-(U12-Rb): length 15.1
  Top w0.2: U7.3 33.43,13.62 34.03,14.23 C24.1 36.61,15.8 C23.1 38.58,18.52 U12.7
Net-(U12-ToBUFF): length 18.5
  Top w0.2: v2(36.4,25.7) 35.8,25.7 31.7,21.6 31.7,18.3 31.23,17.82 C27.1 29.02,14.89 U7.5
  Bottom w0.2: U12.2 36.4,25.72 v2(36.4,25.7)
Net-(U13-OUTVC12): length 4.9
  Top w0.2: 19.15,15.1 20.14,15.1 20.44,14.8
  Top w0.5: 20.44,14.8 20.6,14.64 v1(20.6,14.4)
  Bottom w0.8: v1(20.6,14.4) C28.1 C29.1
Net-(U13-VCM): length 4.1
  Top w0.2: 13.18,14.3 12.45,14.3 12.15,14.6
  Top w0.5: v1(11.6,14.9) 12.15,14.6
  Bottom w0.8: C26.1 C25.1
Net-(U14-B0): length 5.7
  Top w0.2: U14.18 105.18,51.36 104.65,50.83 104.65,48.33 103.75,47.43 R43.2
Net-(U14-B2): length 4.3
  Top w0.2: U14.16 105.02,53.9 104.75,53.63 104.75,52.53 103.65,51.43 R44.2
Net-(U14-B4): length 3
  Top w0.2: R45.2 103.95,55.43 104.96,56.44 U14.14
Net-(U14-B6): length 2.8
  Top w0.2: U14.12 104.81,58.98 104.3,59.48 R50.2
Net-(U20-Iref): length 2.3
  Bottom w0.2: R51.1 U20.6
Net-(U20-OutL): length 17.7
  Top w0.2: U20.4 74.12,19.1 66.58,19.1 65.18,17.7 R46.1 62.56,19.74 C43.1 62.46,19.7 R48.1
Net-(U20-OutR): length 20.3
  Top w0.2: R49.1 64.7,22.6 67.7,19.6 76.16,19.6 U20.5

## Copper pours and planes (outline as drawn; the poured copper is in the pictures)
GND on Top, Bottom: 170.2,7.8 -0.2,7.8 -0.2,64.2 170.2,64.2

## Text on the board
B.Silkscreen: SW1.1 - Enable TSFM + MIDI / SW1.2 - Enable SAA1099 / SW1.3 - Enable GS / SW1.4 - Enable SounDrive / SW1.5 - Enable Beeper | 12x100n
F.Silkscreen: 2x | 4x | ${COMPANY} 2025, Andy Karpov 2026 | • Turbo Sound FM • General Sound • SAA1099 • SounDrive • MIDI • | rev.${REVISION} | ZX-MultiSound
